# Altium PCB PCB.PcbDoc (part 3 of 3)
Units mil, origin at the board's own origin, x right, y up, seen from the top; angles counter-clockwise.
Board outline 2834.89 x 3149.61 mil, 4 copper layers (Top Layer, PWR, GND, Bottom Layer), stack 61.811 mil thick; 169 components, 190 nets, 857 pads, 254 vias.
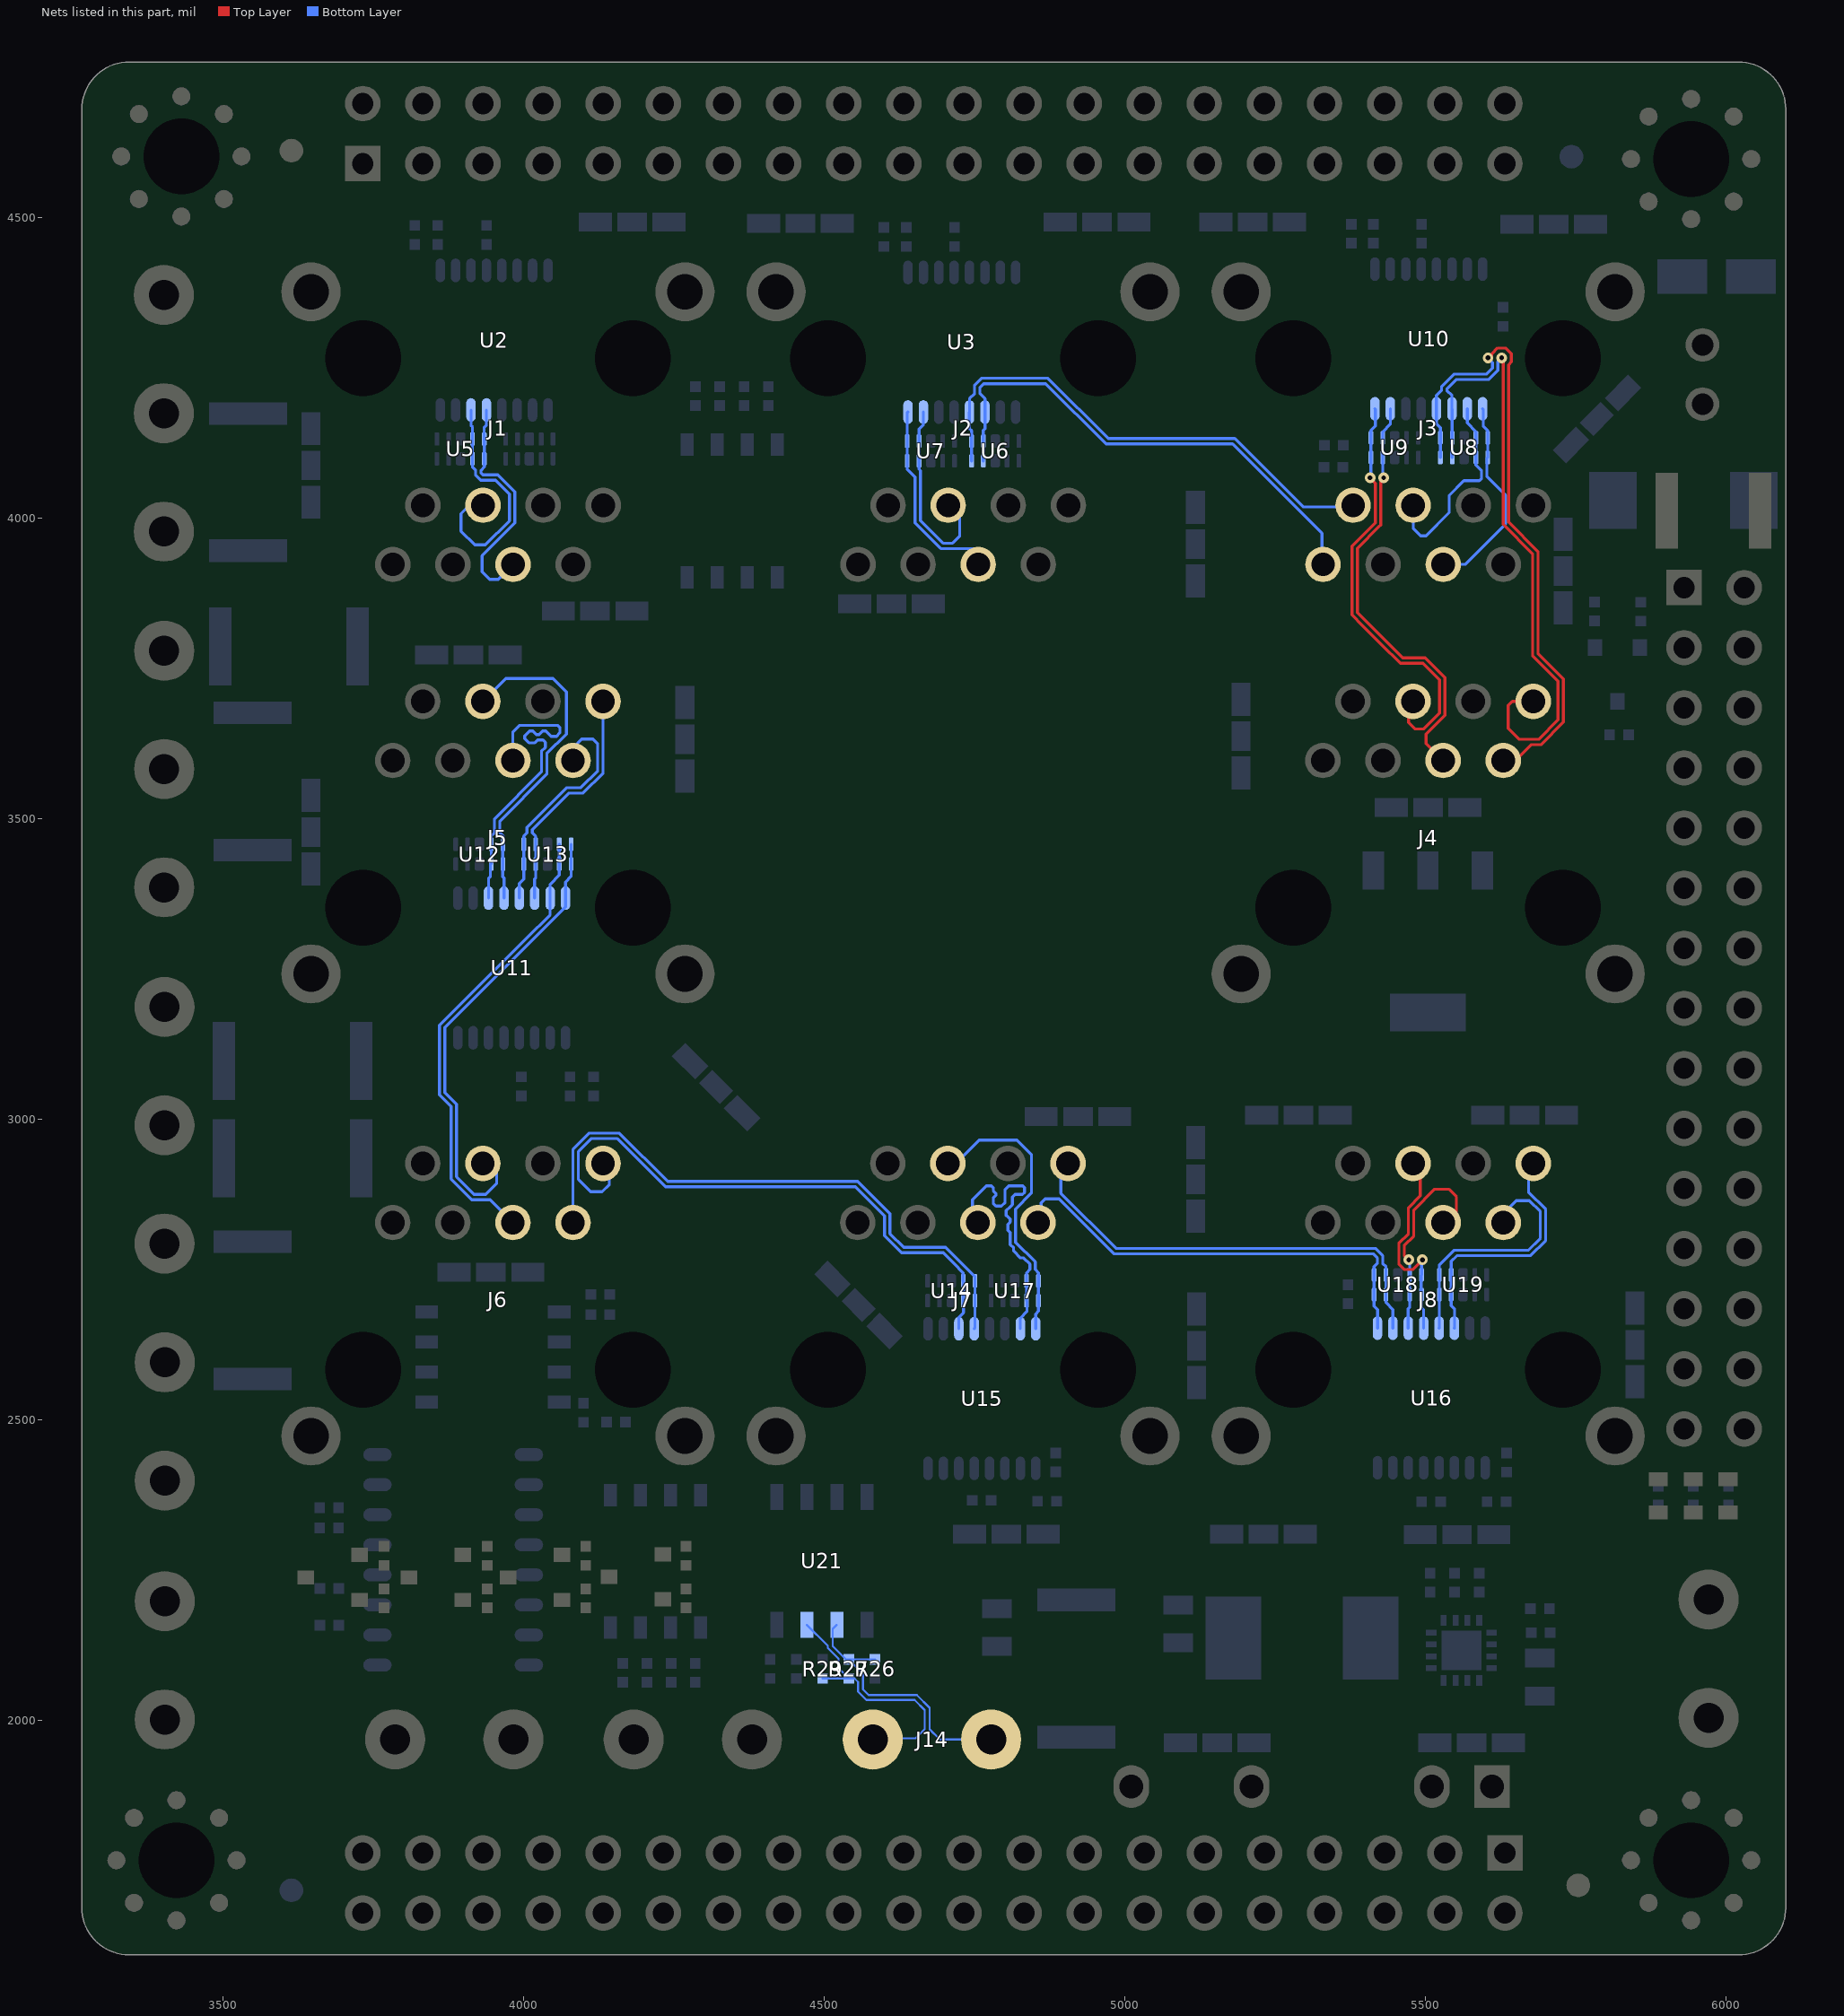
[diagram p5: the nets of this part, all layers, seen from the top]

## Via types
v1: diameter 17.72, hole 7.87, Top Layer to Bottom Layer, tented both sides, 254 vias

## Nets (pads, with @x,y where several pads share a name; then routed paths per layer and width w, separated by ;. In a path a pad name is that pad's centre, name@x,y a point inside that pad or via, vN(x,y) a via of type N, cw(c..) or ccw(c..) an arc to the next point about the centre after c; other vN are vias at no path point) (continued)
SDATA3_N: J3.2 U3.12 U6.5 U6.6 | length 855.4
  Bottom Layer w4.96: U6.5@4745.07,4095.87 U6.6@4745.07,4128.74 4745.07,4146.17 4741.55,4149.69 4741.55,4176.88 U3.12@4741.72,4177.05 4741.72,4199.21 4750.03,4207.53 4750.03,4222.03 4761.35,4233.34 4872.35,4233.34 4972.55,4133.14 5182.92,4133.14 5296.72,4019.34 5377.13,4019.34 J3.2@5379.86,4022.07
SDATA3_P: J3.1 U3.11 U6.4 U6.7 | length 854.5
  Bottom Layer w4.96: U6.4@4764.75,4095.87 U6.7@4764.75,4128.74 4764.75,4146.34 4767.7,4149.29 4767.7,4176.65 U3.11@4767.31,4177.05 4767.31,4199.21 4758.99,4207.53 4758.99,4218.31 4765.06,4224.38 4868.64,4224.38 4968.84,4124.18 5179.21,4124.18 5328.1,3975.29 5328.1,3925.4 J3.1@5329.86,3923.64
SDATA4_N: J4.2 U8.5 U8.6 U10.12 | length 1075.3
  Top Layer w4.96: v1(5604.2,4267.27) 5610.58,4267.27 5610.58,4274.04 5620.15,4283.61 5633.69,4283.61 5643.26,4274.04 5643.26,4260.5 5638.41,4255.65 5638.41,3994.01 5687.37,3945.04 5687.37,3775.48 5729.84,3733.01 5729.84,3661.15 5692.27,3623.58 5675.66,3623.58 5649.47,3597.39 J4.2@5629.46,3597.39
  Bottom Layer w4.96: U8.5@5525.06,4101.46 U8.6@5525.06,4134.33 5525.06,4151.32 5518.62,4157.75 U10.12@5518.62,4182.63 5518.62,4204.8 5526.94,4213.11 5526.94,4219.25 5547.99,4240.3 5602.08,4240.3 5611.91,4250.13 5611.91,4259.56 v1(5604.2,4267.27)
SDATA4_P: J4.1 U8.4 U8.7 U10.11 | length 1066.5
  Top Layer w4.96: v1(5626.92,4267.27) 5629.45,4264.74 5629.45,3990.3 5678.41,3941.33 5678.41,3771.76 5720.88,3729.3 5720.88,3664.86 5688.56,3632.54 5656.47,3632.54 5637.85,3651.15 5637.85,3688.79 5644.87,3695.81 J4.1@5679.46,3695.81
  Bottom Layer w4.96: U8.4@5544.74,4101.46 U8.7@5544.74,4134.33 5544.74,4182.11 U10.11@5544.21,4182.63 5544.21,4204.8 5535.9,4213.11 5535.9,4215.54 5551.7,4231.34 5605.79,4231.34 5620.87,4246.42 5620.87,4261.22 v1(5626.92,4267.27)
SDATA5_N: J5.2 U11.13 U13.1 U13.10 | length 395.4
  Bottom Layer w4.96: U11.13@3992.77,3368.33 3992.77,3392.45 4000.23,3399.9 U13.10@4000.23,3425.06 U13.1@4000.23,3457.94 4000.23,3471.54 4005.59,3476.9 4005.59,3485.73 4071.9,3552.05 4094.98,3552.05 4123.07,3580.14 4123.07,3624.94 4115.14,3632.87 4096.52,3632.87 4082.04,3618.39 J5.2@4082.04,3597.39
SDATA5_P: J5.1 U11.14 U13.2 U13.9 | length 392.5
  Bottom Layer w4.96: U11.14@4018.36,3368.33 4018.36,3400.21 4019.91,3401.76 U13.9@4019.91,3425.06 U13.2@4019.91,3457.94 4019.91,3471.54 4014.55,3476.9 4014.55,3482.02 4075.61,3543.09 4098.69,3543.09 4132.03,3576.43 4132.03,3628.65 J5.1@4132.04,3695.81
SDATA6_N: J6.2 U14.5 U14.6 U15.12 | length 1007.2
  Bottom Layer w4.96: J6.2@4082.04,2828.61 4082.04,2950.52 4108.71,2977.19 4159.6,2977.19 4239.59,2897.2 4555.62,2897.2 4609.43,2843.38 4609.43,2810.11 4632.24,2787.31 4702,2787.31 4750.85,2738.45 U14.5@4750.85,2731.57 U14.6@4750.85,2698.7 4750.85,2653.32 U15.12@4749.47,2651.94
SDATA6_P: J6.1 U14.4 U14.7 U15.11 | length 1008.2
  Bottom Layer w4.96: J6.1@4132.04,2927.04 4142.47,2916.6 4142.47,2892.06 4130.49,2880.08 4111.3,2880.08 4091,2900.38 4091,2946.8 4112.42,2968.23 4155.89,2968.23 4235.88,2888.24 4551.9,2888.24 4600.47,2839.67 4600.47,2806.4 4628.53,2778.35 4698,2778.35 4715.99,2760.35 4731.17,2745.18 U14.4@4731.17,2731.57 4731.67,2731.07 4731.67,2698.7 4731.67,2678.66 4723.88,2670.88 U15.11@4723.88,2651.94
SDATA7_N: J7.2 U16.9 U18.1 U18.10 | length 758.9
  Bottom Layer w4.96: J7.2@4855.75,2828.61 4860.65,2833.51 4860.65,2861.2 4867.22,2867.77 4890.53,2867.77 4981.72,2776.58 5413.51,2776.58 5420.21,2769.88 5420.21,2760.56 5414.84,2755.19 U18.1@5414.84,2741.59 U18.10@5414.84,2708.72 5414.84,2689.51 5420.41,2683.95 U16.9@5420.41,2652.91
SDATA7_P: J7.1 U16.10 U18.2 U18.9 | length 760.8
  Bottom Layer w4.96: J7.1@4905.75,2927.04 4893.72,2915.01 4893.72,2877.25 4985.43,2785.54 5417.22,2785.54 5429.17,2773.6 5429.17,2760.56 5434.53,2755.19 U18.2@5434.53,2741.59 U18.9@5434.53,2708.72 5434.53,2695.25 5446,2683.78 U16.10@5446,2652.91
SDATA8_N: J8.2 U16.13 U19.1 U19.10 | length 429.2
  Bottom Layer w4.96: U16.13@5522.77,2652.91 5523.3,2653.44 U19.10@5523.3,2708.72 U19.1@5523.3,2741.59 5523.3,2758.48 5547.22,2782.41 5671.03,2782.41 5691.21,2802.58 5691.21,2846.75 5672.87,2865.09 5651.25,2865.09 5629.46,2843.3 J8.2@5629.46,2828.61
SDATA8_P: J8.1 U16.14 U19.2 U19.9 | length 428.4
  Bottom Layer w4.96: U16.14@5548.36,2652.91 5548.72,2653.26 5548.72,2684.35 5542.98,2690.08 U19.9@5542.98,2708.72 U19.2@5542.98,2741.59 5542.98,2764.08 5552.36,2773.45 5674.74,2773.45 5700.17,2798.87 5700.17,2850.46 5671.74,2878.89 5671.74,2919.31 J8.1@5679.46,2927.04
SEN1_N: J1.5 U2.13 U5.1 U5.10 | length 400.5
  Bottom Layer w4.96: U2.13@3938.04,4180.58 3938.04,4155.33 3934.26,4151.55 3934.26,4132.44 U5.10@3934.42,4132.28 U5.1@3934.42,4099.41 3934.42,4085.81 3929.06,4080.44 3929.06,4075.73 3932.05,4072.74 3957.09,4072.74 3985.26,4044.56 3985.26,3992.4 3930.87,3938.01 3930.87,3911.41 3943.32,3898.95 3957.74,3898.95 J1.5@3982.43,3923.64
SEN1_P: J1.4 U2.14 U5.2 U5.9 | length 403.7
  Bottom Layer w4.96: U2.14@3912.45,4180.58 3912.45,4154.59 3914.82,4152.22 3914.82,4132.37 U5.9@3914.73,4132.28 U5.2@3914.73,4099.41 3914.73,4085.81 3920.1,4080.44 3920.1,4072.02 3928.34,4063.78 3953.38,4063.78 3976.3,4040.85 3976.3,3996.12 3936.22,3956.03 3918.73,3956.03 3895.86,3978.89 3895.86,4008.07 3909.86,4022.07 J1.4@3932.43,4022.07
SEN2_N: J2.5 U3.16 U7.5 U7.6 | length 339.3
  Bottom Layer w4.96: U3.16@4639.35,4177.05 4638.03,4175.72 U7.6@4638.03,4128.74 U7.5@4638.03,4095.87 4638.03,4082.27 4651.33,4068.97 4651.33,3992.56 4687.63,3956.26 4693.99,3949.9 4756.14,3949.9 J2.5@4756.14,3923.64
SEN2_P: J2.4 U3.15 U7.4 U7.7 | length 336.8
  Bottom Layer w4.96: U3.15@4664.94,4177.05 4664.94,4155.9 4657.72,4148.67 U7.7@4657.72,4128.74 U7.4@4657.72,4095.87 4657.72,4082.27 4660.29,4079.69 4660.29,3996.27 4697.7,3958.86 4713.52,3958.86 4725.28,3970.61 4725.28,4015.21 4718.42,4022.07 J2.4@4706.14,4022.07
SEN3_N: J3.5 U8.1 U8.10 U10.9 | length 340.1
  Bottom Layer w4.96: J3.5@5529.86,3923.64 5566.23,3923.64 5633.46,3990.87 5633.46,4038.78 5602.47,4069.76 5602.47,4100.13 U8.1@5603.8,4101.46 U8.10@5603.8,4134.33 5603.8,4146.35 5596.36,4153.79 5596.36,4181.67 U10.9@5595.39,4182.63
SEN3_P: J3.4 U8.2 U8.9 U10.10 | length 339.6
  Bottom Layer w4.96: J3.4@5479.86,4022.07 5479.86,3983.87 5492.44,3971.29 5501.05,3971.29 5539.67,4009.91 5539.67,4038.53 5564.26,4063.12 5564.64,4062.74 5589.77,4062.74 5593.51,4066.48 5593.51,4079.68 5584.11,4089.08 U8.2@5584.11,4101.46 U8.9@5584.11,4134.33 5584.11,4144.59 5569.8,4158.9 U10.10@5569.8,4182.63
SEN4_N: J4.5 U9.5 U9.6 U10.16 | length 717.3
  Top Layer w4.96: v1(5408.04,4067.8) 5408.04,4067.41 5416.86,4058.59 5416.86,3992.97 5378.16,3954.26 5378.16,3839.48 5395.56,3822.08 5426.95,3790.68 5458.6,3759.04 5496.12,3759.04 5523.58,3731.58 5523.58,3676.05 5497.39,3649.86 5482.77,3649.86 5472.33,3660.31 5472.33,3688.68 J4.5@5479.46,3695.81
  Bottom Layer w4.96: v1(5408.04,4067.8) 5409.56,4069.32 U9.5@5409.56,4101.46 U9.6@5409.56,4134.33 5409.56,4146.26 5416.95,4153.65 5416.95,4181.95 U10.16@5416.26,4182.63
SEN4_P: J4.4 U9.4 U9.7 U10.15 | length 715.9
  Top Layer w4.96: v1(5430.76,4067.8) 5430.76,4067.41 5425.82,4062.48 5425.82,4041.11 5425.82,3989.25 5423.88,3987.31 5387.12,3950.55 5387.12,3843.19 5462.31,3768 5499.83,3768 5529.91,3737.91 5532.54,3735.29 5532.54,3672.34 5529.91,3669.71 5501.41,3641.21 5501.41,3625.44 J4.4@5529.46,3597.39
  Bottom Layer w4.96: v1(5430.76,4067.8) 5429.24,4069.32 U9.4@5429.24,4101.46 U9.7@5429.24,4134.33 5429.24,4144.13 5441.85,4156.74 U10.15@5441.85,4182.63
SEN5_N: J5.5 U11.12 U12.5 U12.6 | length 556.5
  Bottom Layer w4.96: J5.5@3932.04,3695.81 3970.11,3733.89 4048.91,3733.89 4071.09,3711.71 4071.09,3641.43 4038.64,3608.98 4038.64,3574.9 3960.33,3496.6 3960.33,3476.9 3965.7,3471.54 U12.5@3965.7,3457.94 3965.19,3457.43 3965.19,3404.02 3967.18,3402.03 U11.12@3967.18,3368.33
SEN5_P: J5.4 U11.11 U12.4 U12.7 | length 557
  Bottom Layer w4.96: U11.11@3941.59,3368.33 3941.59,3401.17 3944.71,3404.3 U12.7@3944.71,3425.06 ; U12.7@3946.01,3425.06 U12.4@3946.01,3457.94 3946.01,3471.54 3951.37,3476.9 3951.37,3500.31 4029.68,3578.62 4029.68,3612.69 4036.14,3619.15 4036.14,3627.54 4032.04,3631.65 4023.46,3631.65 4018.55,3626.73 4008.82,3626.73 4001.87,3633.68 4001.87,3638.36 4009.91,3646.4 4015,3646.4 4021.11,3640.29 4025.59,3640.29 4031.7,3646.4 4036.89,3646.4 4045.66,3637.63 4054.62,3637.63 4060.24,3643.25 4060.24,3652.67 4057.15,3655.76 3993.02,3655.76 3982.04,3644.78 J5.4@3982.04,3597.39
SEN6_N: J6.5 U11.16 U13.5 U13.6 | length 785.6
  Bottom Layer w4.96: J6.5@3932.04,2927.04 3945.37,2927.04 3954.97,2917.44 3954.97,2893.25 3937.16,2875.44 3917.49,2875.44 3888.12,2904.81 3888.12,3025.3 3868.89,3044.52 3868.89,3152.96 4008.73,3292.79 4069.54,3353.61 U11.16@4069.54,3368.33 4069.54,3394.94 4078.97,3404.37 U13.6@4078.97,3425.06 U13.5@4078.97,3457.94
SEN6_P: J6.4 U11.15 U13.4 U13.7 | length 780.3
  Bottom Layer w4.96: J6.4@3982.04,2828.61 3944.16,2866.48 3913.78,2866.48 3879.16,2901.1 3879.16,3021.58 3859.93,3040.81 3859.93,3156.67 4005.01,3301.75 4043.95,3340.69 U11.15@4043.95,3368.33 4043.95,3391.37 4059.28,3406.7 U13.7@4059.28,3425.06 U13.4@4059.28,3457.94
SEN7_N: J7.5 U15.16 U17.5 U17.6 | length 483.4
  Bottom Layer w4.96: J7.5@4705.75,2927.04 4719.05,2927.04 4757.78,2965.76 4820.79,2965.76 4844.68,2941.87 4844.68,2888.9 4844.73,2888.85 4844.73,2877.42 4818.43,2851.12 4818.43,2795.66 4850.99,2763.11 4850.99,2750.54 4856.35,2745.18 U17.5@4856.35,2731.57 U17.6@4856.35,2698.7 4856.46,2698.59 4856.46,2681.13 4851.83,2676.5 U15.16@4851.83,2651.94
SEN7_P: J7.4 U15.15 U17.4 U17.7 | length 484.1
  Bottom Layer w4.96: J7.4@4755.75,2828.61 4746.51,2837.85 4746.51,2866.28 4769.97,2889.74 4777.99,2889.74 4781.26,2886.48 4781.26,2881.72 4785.72,2877.27 4785.72,2873.7 4781.26,2869.25 4781.26,2860.34 4785.72,2855.88 4794.78,2855.88 4800.87,2861.97 4800.87,2883.65 4806.96,2889.74 4830.27,2889.74 4833.39,2886.62 4833.39,2878.75 4829.83,2875.19 4817.35,2875.19 4813.2,2871.03 4813.2,2858.55 4809.47,2854.83 4809.17,2854.83 4802.8,2848.45 4802.8,2840.14 4803.68,2840.14 4809.47,2834.34 4809.47,2829.44 4805.62,2825.59 4805.62,2815.78 4809.47,2811.93 4809.47,2791.95 4815.01,2786.41 4815.01,2781.14 4826.45,2769.7 4831.72,2769.7 4842.03,2759.39 4842.03,2750.54 4836.67,2745.18 U17.4@4836.67,2731.57 U17.7@4836.67,2698.7 4837.27,2698.1 4837.27,2680.59 4826.24,2669.56 U15.15@4826.24,2651.94
SEN8_N: J8.5 U16.12 U18.5 U18.6 | length 353.4
  Top Layer w4.96: J8.5@5479.46,2927.04 5491.58,2914.92 5491.58,2872.98 5471.79,2853.19 5471.79,2810.03 5456.05,2794.29 5456.05,2759.89 5465.62,2750.32 5479.15,2750.32 5495.1,2766.27 v1(5495.1,2766.66)
  Bottom Layer w4.96: v1(5495.1,2766.66) 5493.58,2765.14 U18.5@5493.58,2741.59 5492.8,2740.81 5492.8,2687.05 5497.18,2682.67 U16.12@5497.18,2652.91
SEN8_P: J8.4 U16.11 U18.4 U18.7 | length 355.9
  Top Layer w4.96: v1(5472.38,2766.66) 5465.01,2774.03 5465.01,2790.58 5480.75,2806.32 5480.75,2849.48 5515.3,2884.04 5538.94,2884.04 5551.63,2871.35 5551.63,2841.16 5539.08,2828.61 J8.4@5529.46,2828.61
  Bottom Layer w4.96: U16.11@5471.59,2652.91 5471.59,2685.33 5474.09,2687.84 5474.09,2741.4 U18.4@5473.9,2741.59 5473.9,2765.14 v1(5472.38,2766.66)
UART485_N: J14.1 R27.2 R29.2 U21.7 | length 444.5
  Bottom Layer w3.32: U21.7@4470.92,2159.29 4505.77,2124.44 4505.77,2120.72 4523.74,2102.75 4523.74,2087.32 R27.2@4540.92,2070.14 ; R29.2@4497.28,2070.14 R27.2@4540.92,2070.14 ; J14.1@4580.82,1968.51 4582.58,1970.27 4651.85,1970.27 4667.13,1985.55 4667.13,2017.58 4650.47,2034.24 4580.52,2034.24 4570.27,2034.24 4556.31,2048.2 4556.31,2064.17 4550.33,2070.14 R27.2@4540.92,2070.14
UART485_P: J14.2 R26.2 R27.1 U21.6 | length 445.7
  Bottom Layer w3.32: U21.6@4520.92,2159.29 4514.24,2152.61 4514.24,2124.02 4536.62,2101.63 R27.1@4540.92,2101.63 ; R26.2@4584.57,2101.63 R27.1@4540.92,2101.63 ; J14.2@4777.67,1968.51 4692.44,1968.51 4675.45,1985.5 4675.45,2021.03 4653.92,2042.56 4573.72,2042.56 4564.63,2051.65 4564.63,2077.93 R27.1@4540.92,2101.63
pads on no net: J1. J1.7 J1.8 J2. J2.7 J2.8 J3. J3.7 J3.8 J4. J4.7 J4.8 J5. J5.7 J5.8 J6. J6.7 J6.8 J7. J7.7 J7.8 J8. J8.7 J8.8 J17.23 J17.24 MARKPOINT1. MARKPOINT2. MARKPOINT3. MARKPOINT4. POSHOLE1. POSHOLE2. POSHOLE3. POSHOLE4.

## Polygon pours and split planes (outlines as drawn)
GND on Bottom Layer "GND_L04_P002" (solid, remove dead copper, pour order 2): 3264.76,1688.95 ccw(c3343.5,1688.95) 3343.5,1610.21 6020.7,1610.21 6020.91,1610 ccw(c6020.91,1688.74) 6099.65,1688.74 6099.65,4680.87 ccw(c6020.91,4680.87) 6020.91,4759.61 3343.74,4759.61 ccw(c3343.74,4680.87) 3265,4680.87
GND on Top Layer "GND_L01_P001" (solid, remove dead copper, pour order 1): 3264.76,1688.95 ccw(c3343.5,1688.95) 3343.5,1610.21 6020.7,1610.21 6020.91,1610 ccw(c6020.91,1688.74) 6099.65,1688.74 6099.65,4680.87 ccw(c6020.91,4680.87) 6020.91,4759.61 3343.74,4759.61 ccw(c3343.74,4680.87) 3265,4680.87
ISOGND10 on GND (split plane): 3472.74,2595.4 3472.74,2510.42 3473.03,2507.48 3473.89,2504.65 3475.28,2502.04 3477.16,2499.76 3563.29,2413.62 3565.58,2411.75 3568.18,2410.35 3571.01,2409.5 3573.95,2409.21 3803.65,2409.21 3803.65,2132.58 3803.94,2129.64 3804.79,2126.81 3806.19,2124.2 3808.06,2121.92 3892.43,2037.55 3894.72,2035.67 3897.32,2034.28 3900.15,2033.42 3903.09,2033.13 4416.3,2033.13 4466.08,1983.35 4537.96,1911.47 4540.25,1909.6 4542.85,1908.2 4545.68,1907.34 4548.62,1907.05 5149.76,1907.05 5152.7,1907.34 5155.53,1908.2 5158.13,1909.6 5160.42,1911.47 5196.68,1947.73 5284.13,1947.73 5323.15,1908.71 5325.43,1906.83 5328.04,1905.44 5330.87,1904.58 5333.81,1904.29 5564.11,1904.29 5567.05,1904.58 5569.88,1905.44 5572.48,1906.83 5574.77,1908.71 5898.21,2232.15 5900.08,2234.43 5901.48,2237.04 5902.33,2239.87 5902.62,2242.81 5902.62,2397.72 5930.35,2425.45 5939.69,2416.11 5939.69,2135.9 5568.92,1765.14 3545.91,1765.14 3381.72,1929.33 3324.88,1986.17 3324.93,2653.32 3335.36,2663.76 3404.39,2663.76
GND on GND (split plane): 6026.34,4698.8 6029.74,4697.39 6032.79,4695.35 6035.39,4692.75 6037.43,4689.7 6038.83,4686.3 6039.55,4682.7 6039.55,4680.87 6039.55,1688.74 6039.55,1686.9 6038.83,1683.3 6037.43,1679.91 6035.39,1676.85 6032.79,1674.26 6029.74,1672.22 6026.34,1670.81 6022.74,1670.09 6020.91,1670.09 3343.5,1670.3 3341.66,1670.3 3338.06,1671.02 3334.67,1672.42 3331.61,1674.46 3329.01,1677.06 3326.97,1680.11 3325.57,1683.51 3324.85,1687.11 3324.85,1688.94 3324.87,1943.54 3360.4,1908.01 3529.01,1739.41 3531.29,1737.53 3533.9,1736.14 3536.73,1735.28 3539.67,1734.99 5575.17,1734.99 5578.11,1735.28 5580.93,1736.14 5583.54,1737.53 5585.82,1739.41 5965.42,2119 5967.29,2121.29 5968.69,2123.89 5969.55,2126.72 5969.83,2129.66 5969.83,2422.36 5969.55,2425.3 5968.69,2428.12 5967.29,2430.73 5965.42,2433.01 5941.01,2457.42 5938.73,2459.3 5936.12,2460.69 5933.29,2461.55 5930.35,2461.84 5927.41,2461.55 5924.59,2460.69 5921.98,2459.3 5919.7,2457.42 5876.89,2414.62 5875.02,2412.33 5873.62,2409.73 5872.77,2406.9 5872.48,2403.96 5872.48,2249.05 5557.87,1934.44 5340.05,1934.44 5301.03,1973.46 5298.74,1975.33 5296.14,1976.73 5293.31,1977.59 5290.37,1977.88 5190.43,1977.88 5187.49,1977.59 5184.67,1976.73 5182.06,1975.33 5179.78,1973.46 5143.52,1937.2 4554.86,1937.2 4487.4,2004.66 4433.2,2058.86 4430.92,2060.74 4428.31,2062.13 4425.48,2062.99 4422.54,2063.28 3909.34,2063.28 3833.79,2138.82 3833.79,2424.28 3833.5,2427.22 3832.64,2430.05 3831.25,2432.65 3829.38,2434.94 3827.09,2436.81 3824.49,2438.21 3821.66,2439.06 3818.72,2439.35 3580.19,2439.35 3502.89,2516.66 3502.89,2604.91 3502.6,2607.85 3501.74,2610.68 3500.35,2613.28 3498.47,2615.57 3496.19,2617.44 3493.58,2618.83 3491.23,2619.55 3421.29,2689.49 3419,2691.36 3416.4,2692.76 3413.57,2693.61 3410.63,2693.9 3329.12,2693.9 3326.18,2693.61 3324.93,2693.23 3325.09,4680.86 3325.09,4680.87 3325.09,4682.7 3325.81,4686.3 3327.22,4689.7 3329.26,4692.75 3331.85,4695.35 3334.91,4697.39 3338.3,4698.8 3341.9,4699.51 6022.74,4699.51
+ISO12V on PWR (split plane): 3853.09,2003.36 3855.38,2001.49 3857.98,2000.1 3860.81,1999.24 3863.75,1998.95 4965.97,1998.95 4968.91,1999.24 4970.08,1999.59 5046.82,1922.85 5046.82,1866.8 5024.68,1844.66 3863.98,1844.66 3555.76,2152.89 3555.76,2197.15 3560.36,2201.76 3654.7,2201.76
ISOGND3 on PWR (split plane): 3569.23,3972.37 3569.52,3969.43 3570.37,3966.6 3571.77,3964 3573.64,3961.71 3703.49,3831.86 3705.78,3829.98 3708.38,3828.59 3711.21,3827.73 3714.15,3827.44 4219.6,3827.44 4222.54,3827.73 4225.37,3828.59 4227.98,3829.98 4230.26,3831.86 4360.16,3961.76 4377.89,3961.76 4398.07,3941.58 4398.07,3924.03 4258.23,3784.2 3583.95,3784.2 3582.81,3784.81 3582.61,3784.87 3480.34,3887.13 3480.28,3887.33 3478.89,3889.93 3477.02,3892.22 3474.73,3894.09 3472.13,3895.48 3469.3,3896.34 3466.36,3896.63 3465.48,3896.55 3464.6,3896.63 3325.03,3896.63 3325.08,4458.64 3569.23,4458.64
+3.3V on PWR (split plane): 6039.55,1688.74 6039.55,1686.9 6038.83,1683.3 6037.43,1679.91 6035.39,1676.85 6032.79,1674.26 6029.74,1672.22 6026.34,1670.81 6022.74,1670.09 6020.91,1670.09 5931.22,1670.1 6039.44,1778.32 6039.55,1778.43
+5V on PWR (split plane): 6039.55,4676.99 6039.55,1821.06 6018.12,1799.63 5895.01,1676.51 5098.52,1676.51 5045.1,1729.93 5045.1,1822.45 5072.55,1849.9 5074.43,1852.19 5075.82,1854.79 5076.68,1857.62 5076.97,1860.56 5076.97,1929.09 5076.68,1932.03 5075.82,1934.86 5074.43,1937.47 5072.55,1939.75 4995.36,2016.95 4995.36,2132.37 5033.9,2170.91 5098.59,2170.91 5132.78,2136.72 5132.78,2040.93 5133.07,2037.99 5133.93,2035.17 5135.32,2032.56 5137.19,2030.28 5147.85,2019.62 5147.85,1995.68 5171.79,1995.68 5195.64,1971.83 5197.92,1969.96 5200.53,1968.56 5203.36,1967.7 5206.3,1967.41 5732.26,1967.41 5735.2,1967.7 5738.03,1968.56 5740.64,1969.96 5742.92,1971.83 5880.24,2109.15 5882.12,2111.43 5883.51,2114.04 5884.37,2116.87 5884.66,2119.81 5884.66,4498.71 5884.37,4501.65 5883.51,4504.48 5882.12,4507.09 5880.24,4509.37 5838.64,4550.97 5836.36,4552.85 5833.75,4554.24 5830.92,4555.1 5827.98,4555.39 3729.51,4555.39 3697.4,4587.5 3697.4,4699.51 6017.03,4699.51
ISOGND1 on PWR (split plane): 3568,3142.89 3568,2957.05 3568,2739.27 3568.29,2736.33 3569.14,2733.5 3570.54,2730.9 3572.41,2728.61 3860.91,2440.11 3863.2,2438.24 3865.8,2436.85 3868.63,2435.99 3871.57,2435.7 4243.53,2435.7 4257.12,2422.11 4257.12,2393 3567.91,2393 3324.93,2635.98 3324.98,3273.76 3437.13,3273.76
ISOGND2 on PWR (split plane): 3566.26,3758.58 3566.26,3382.8 3566.55,3379.86 3567.41,3377.03 3568.8,3374.43 3570.68,3372.14 3717.25,3225.57 3717.25,2813.84 3717.54,2810.9 3718.4,2808.07 3719.79,2805.47 3721.67,2803.18 3979.32,2545.53 3979.32,2465.84 3877.81,2465.84 3598.14,2745.51 3598.14,2957.05 3598.14,3149.13 3597.85,3152.07 3596.99,3154.9 3595.6,3157.5 3593.73,3159.79 3454.03,3299.49 3451.74,3301.36 3449.14,3302.76 3446.31,3303.61 3443.37,3303.9 3324.98,3303.9 3325.03,3866.49 3458.36,3866.49
+3.3V on PWR (split plane): 169 vertices, not listed, extent 3324.85,1670.17 5854.51,4699.51

## Other copper
Top Layer:
  rectangle net NetC5_1: 5975.18,3951.33 6075.7,4074.6
  pour cut-out: 5189.7,4301.52 5840.87,4301.52 5840.87,4220.92 5722.81,4102.85 5722.81,3525.53 5729.29,3519.04 5198.64,3519.04
  pour cut-out: 4917.96,2118.53 5689.61,2118.53 5689.61,1840.97 4917.96,1840.97
  pour cut-out: 5189.71,2732.24 5848.18,2732.24 5848.18,3006.5 5847.7,3006.97 5844.75,3004.02 5189.3,3004.02
  pour cut-out: 5147.85,2267.24 5147.85,1995.68 5603.51,1995.68 5603.51,2267.45
  region net +3.3V: 5964.74,2469.31 5947.2,2451.77 5914.26,2451.77 5810.94,2555.09 5810.94,2618.19 5755,2674.14 5755,2705.35 5782.08,2732.43 5840.97,2732.43 5889.26,2684.15 5889.26,2564.61 5929.89,2523.98 5943.01,2523.98 5964.74,2502.25
  region net +3.3V: 5116.43,4626.57 5150.01,4626.57 5171.09,4605.49 5171.09,4547.25 5190.47,4527.88 5299.73,4527.88 5333.87,4493.73 5333.87,4427.37 5321.79,4415.29 5241.05,4415.29 5220.86,4435.48 5144.35,4435.48 5095.33,4484.51 5095.33,4604.71
  region net ISOGND10: 5208.44,1925.51 5161.24,1925.51 4984.22,2102.53 4984.22,2182.57 4854.92,2182.57 4854.3,2181.95 4854.77,2181.48 4854.77,2123.69 5123.05,1855.41 5217.09,1855.41
Bottom Layer:
  rectangle net GND: 5064.5,2177.61 5113.21,2282.15
  pour cut-out: 3644.32,4300.74 5838.98,4300.74 5838.98,4220.96 5727.4,4109.39 5727.4,3518.25 5191.74,3518.25 5191.74,3781.42 5115.92,3857.24 3764.39,3857.24 3653.49,3968.14 3653.49,3969.38 3644.32,3978.56
  pour cut-out: 3823.17,3769.12 3646.21,3592.16 3646.21,3242.27 3704.48,3183.99 3753,3183.99 3762.4,3174.59 3762.4,2746.09 4486.39,2746.09 4494.36,2754.05 4612.35,2636.05 4612.35,2537.79 5848.7,2537.79 5848.7,2985.3 5847.7,2985.3 5847.7,3004.72 4369.53,3004.72 4268.26,3106 4268.26,3769.12
  pour cut-out: 5147.85,2267.24 5147.85,1995.68 5603.51,1995.68 5603.51,2267.45
  region net GND: 5589.61,2166.85 5589.61,2137.39 5550.24,2136.71 5550.24,2175.78 5572.12,2198.14 5600.32,2198.14 5680.83,2254.29 5988.2,2254.29 6024.42,2230.72 6024.42,2178.03 5996.12,2149.72 5960.21,2149.72 ccw(c6205.14,655.92) 5714.93,2088.1 5697.74,2088.1 5697.74,2195.31 5689.88,2203.17 5663.35,2203.17 5608.6,2166.85
  region net +5V: 5227.18,2206.29 5134.66,2206.29 cw(c5052.36,2200.79) 5113.43,2145.34 5063.95,2145.34 5061.54,2034.69 5104.92,2034.69 cw(c5160.41,2015.62) 5134.66,2068.35 5227.18,2068.35
  region net NetL1_1: 5509.89,2126.57 5504.96,2131.49 5501.03,2131.49 cw(c5568.21,2223.66) 5455.53,2205.99 5455.53,2205.62 5363.37,2205.62 5363.01,2205.99 5363.01,2068.49 5455.53,2068.49 cw(c5488.8,2035.23) 5488.8,2082.27 5509.89,2082.27
  region net NetC5_1: 6000.43,4430.96 6000.43,4240.46 5983.65,4223.68 5948.12,4223.68 5928.32,4203.88 5928.32,4176.26 5947.23,4157.34 5969.89,4157.34 5976.43,4150.81 5976.43,3949.71 6083.1,3949.71 6083.1,4430.96
  region net +5V: 5886.77,4430.96 5886.77,4313.94 5944.41,4256.31 5974.81,4256.31 5993.48,4274.98 5993.48,4307.26 5968.93,4331.81 5968.93,4430.96
  region net +ISO12V: 4762.76,2108.12 4854.3,1988.95 4984.22,1968.97 4983.65,1991.01 4810.76,2107.7 4810.76,2139.19 4762.76,2139.11
  region net ISOGND10: 4984.22,2143.57 4854.3,2143.57 4811.97,2172.87 4762.76,2170.69 4762.76,2202.18 4811.44,2202.18 4854.3,2219.36 4984.22,2219.36
  region net +ISO12V: 5021.25,1923.73 4984.22,1953.61 4984.22,1990.39 4854.3,1990.99 4854.3,1953.61 4994.48,1859.71
  region net +12V: 5921.26,2007.49 5799.13,1989.26 5799.13,1955.46 5659.77,1926.02 5581.34,1924.36 5581.34,1854.75 5635.37,1854.75 5887.35,1909.5 6005.28,1968.02
  region net +12V: 5609.91,2056.6 5629.05,2029.81 5638.57,2022.27 5663.4,2009.47 5964.16,1951.93 5994.54,1952.26 6024.52,1982.24 6024.52,2028.56 5996.48,2056.6 5685.12,2056.6 5658.87,2077.61 5658.87,2123.28 5667.49,2137.48 5684.6,2137.48 5685.12,2155.11 5667.49,2154.58 5650.27,2146.2 5609.91,2126.57
  region net GND: 5530.55,2058.47 5530.55,2092.48 5527.01,2096.03 5527.86,2096.87 5550.08,2096.87 5550.08,2066.69 5550.5,2066.27 5550.5,2049.98 5519.33,2018.81 5460.14,2018.81 5460.14,2058.47
PWR (plane layer: these items are gaps in the copper):
  pour cut-out: 5147.85,2267.24 5147.85,1995.68 5603.51,1995.68 5603.51,2267.45
  lines w30: 3266.7,3137.26 3266.7,3881.56 ; 3466.36,3879.8 3466.36,3881.56 ; 3577.04,3770.88 3577.04,3769.12 3691.57,3769.12 4264.48,3769.12 4413.14,3917.79 4413.14,3947.82 4384.13,3976.83 4353.92,3976.83 4219.6,3842.52 3714.15,3842.52 3584.3,3972.37 3584.3,4473.72 3266.7,4473.72 3266.7,3881.56 ; 3994.39,2453.08 3994.39,2551.78 3732.33,2813.84 3732.33,3231.81 3581.34,3382.8 3581.34,3764.82 3464.6,3881.56 3266.7,3881.56 ; 4965.97,2014.02 3863.75,2014.02 3660.94,2216.83 3608.16,2216.83 3554.12,2216.83 3540.68,2203.4 3540.68,2146.64 3857.73,1829.59 5030.03,1829.59 5030.03,1723.69 5092.27,1661.44 5901.25,1661.44 6028.78,1788.97 6080.32,1840.52 6080.32,4657.54 5997.55,4740.31 3711.44,4740.31 3682.32,4711.19 3682.32,4581.26 3723.27,4540.31 5827.98,4540.31 5869.58,4498.71 5869.58,2119.81 5732.26,1982.49 5206.3,1982.49 5147.85,2040.93 5147.85,2142.96 5104.83,2185.99 5027.66,2185.99 4980.28,2138.61 4980.28,2010.7 5061.89,1929.09 5061.89,1860.56 5030.93,1829.59 ; 3266.7,2672.9 3561.66,2377.93 4272.19,2377.93 4272.19,2428.35 4249.77,2450.77 3871.57,2450.77 3583.07,2739.27 3583.07,2957.05 3583.07,3149.13 3443.37,3288.83 3266.7,3288.83 3266.7,2685.48 3266.7,2672.9
GND (plane layer: these items are gaps in the copper):
  pour cut-out: 5147.85,2267.24 5147.85,1995.68 5432.89,1995.68 5432.89,2267.37
  lines w30: 3487.81,2601.65 3410.63,2678.83 3329.12,2678.83 3275.93,2625.64 3275.93,2013.8 3371.06,1918.67 3539.67,1750.06 5575.17,1750.06 5954.76,2129.66 5954.76,2422.36 5930.35,2446.76 5887.55,2403.96 5887.55,2242.81 5564.11,1919.37 5333.81,1919.37 5290.37,1962.8 5190.43,1962.8 5149.76,1922.13 4893.33,1922.13 4548.62,1922.13 4476.74,1994.01 4422.54,2048.2 3903.09,2048.2 3818.72,2132.58 3818.72,2424.28 3573.95,2424.28 3487.81,2510.42 3487.81,2604.91

## Silkscreen, mask and mechanical layers (free items; w line width, h text height)
Top Overlay:
  drawing of 100 lines, arcs and shapes, not listed
  text "GND" at 3463.57,4435.4 h60 r270
  text "ENCODER" at 3526.34,4293.39 h60 r270
  text "E6" at 3463.57,4238.55 h60 r270
  text "E5" at 3463.57,4041.7 h60 r270
  text "GND" at 3464.24,3843.44 h60 r270
  text "ENCODER" at 3527.01,3701.44 h60 r270
  text "POWER_IN" at 5951.1,3667.76 h60 r180
  text "E4" at 3464.24,3646.59 h60 r270
  text "E3" at 3464.24,3449.74 h60 r270
  text "GND" at 3464.67,3250.72 h60 r270
  text "ENCODER" at 3527.44,3108.71 h60 r270
  text "E2" at 3464.67,3053.86 h60 r270
  text "E1" at 3464.67,2857.01 h60 r270
  text "GND" at 3465.13,2659.46 h60 r270
  text "CAMERA" at 3527.9,2595.98 h60 r270
  text "TRIG1" at 3465.13,2462.61 h60 r270
  text "+3.3V / +5V / ISO+12V" at 5653.14,2327.86 h60 r270
  text "GND" at 3462.9,2265.72 h60 r270
  text "CAMERA" at 3527.9,2198.6 h60 r270
  text "GND" at 5911.17,2125.06 h60 r90
  text "CAMERA" at 3786.14,2093.67 h60
  text "CAMERA" at 4183.02,2093.51 h60
  text "485" at 4580.84,2093.51 h60
  text "TRIG2" at 3466.48,2077.38 h60 r270
  text "GND" at 3719.03,2028.67 h60
  text "TRIG3" at 3907.37,2028.67 h60
  text "GND" at 4115.9,2028.51 h60
  text "TRIG4" at 4303.47,2028.51 h60
  text "B" at 4513.72,2028.51 h60
  text "A" at 4702.06,2028.51 h60
  text "POWER_IN" at 5846.17,1988.58 h60 r90
  text "+12V" at 5911.17,1937.49 h60 r90
Bottom Overlay:
  circle w6: c4737.9,3422.68 r364.17
  circle w5.98: c4422.79,3107.87 r49.21
  circle w5.98: c4422.79,3737.8 r49.21
  circle w5.98: c5052.71,3737.8 r49.21
  circle w5.98: c5052.71,3107.87 r49.21
  text "DINGKUN" at 5259.82,2021.41 h60 r60
Bottom Solder:
  lines w30: 3646.21,3242.27 3646.21,3416.75 ; 3646.21,3539.19 3646.21,3592.16 3827.52,3773.47 ; 3646.21,4027.09 3646.21,3979.35 3779.52,3846.04 4057.67,3846.04 ; 3646.21,4149.53 3646.21,4377.19 3646.21,4501.16 ; 3731.94,2746.09 3884.49,2746.09 ; 3969.1,3772.68 4268.26,3772.68 4268.26,3694.09 ; 4026.05,2746.62 4503.66,2746.62 ; 4241.57,4493.03 4344.09,4493.03 ; 4268.26,3106 4268.26,3242.27 4268.26,3571.64 ; 4268.26,4377.19 4419.92,4377.19 ; 4344.09,4381.54 4344.09,4493.03 ; 4369.27,3004.99 4860.85,3004.99 ; 4399,4490.85 4399,4493.03 4344.09,4493.03 ; 4482.7,3858.03 4550.47,3858.03 ; 4612.35,2637.93 4612.35,2310.06 4741.55,2310.06 ; 4672.92,3858.03 5117.81,3858.03 ; 4864,2310.06 5030.93,2310.06 ; 4983.29,3004.99 5118.12,3004.99 ; 5015.28,4493.03 5117.81,4493.03 ; 5041.97,4377.19 5193.64,4377.19 ; 5092.59,1962.8 5030.93,1962.8 5030.93,2310.06 ; 5117.81,3880.17 5117.81,3858.03 ; 5117.81,4381.54 5117.81,4493.03 ; 5118.12,2961.93 5118.12,3004.99 ; 5119.47,2542.39 5119.47,2310.06 ; 5151.36,4493.03 5117.81,4493.03 ; 5169.46,2310.06 5119.47,2310.06 ; 5193.64,3576.66 5193.64,3519.04 5443.44,3519.04 ; 5193.64,3699.1 5193.64,3782.2 5117.81,3858.03 ; 5215.03,1962.8 5515.72,1962.8 ; 5227.55,3004.99 5118.12,3004.99 ; 5291.9,2310.06 5491.51,2310.06 ; 5349.99,3006.97 5604.15,3006.97 ; 5565.88,3519.04 5729.29,3519.04 5729.29,3851.15 ; 5613.95,2309.56 5843,2309.56 5843,2446.18 ; 5638.16,1962.8 5719.02,1963.1 ; 5726.59,3006.97 5847.7,3006.97 5847.7,2875.5 ; 5730.4,3979.92 5730.4,4111.28 ; 5774.6,4489.61 5835.6,4489.61 5835.6,4397.11 ; 5840.87,4221.75 5840.87,4377.19 ; 5847.7,2473.49 5847.7,2563.94 ; 5030.93,2310.06 5119.47,2310.06
  text "XME0724_IOEXTEND_V2.0" at 4385.13,1816.96 h60
Mechanical 1:
  circle w6: c4422.79,3737.8 r49.21
  circle w6: c5052.71,3737.8 r49.21
  circle w5.98: c4422.79,3107.87 r49.21
  circle w6: c5052.71,3107.87 r49.21
  circle w6: c4737.9,3422.68 r364.17
  lines w6: 3264.76,1688.95 ccw(c3343.5,1688.95) 3343.5,1610.21 6020.7,1610.21 ; 3265,1689.19 3265,4680.87 cw(c3343.74,4680.87) 3343.74,4759.61 6020.91,4759.61 cw(c6020.91,4680.87) 6099.65,4680.87 6099.65,1688.74 cw(c6020.91,1688.74) 6020.91,1610
Mechanical 2:
  circle w6: c4737.9,3422.68 r364.17
  circle w6: c5052.78,3107.8 r49.21
  circle w5.98: c4422.86,3107.8 r49.21
  circle w6: c5052.78,3737.72 r49.21
  circle w6: c4422.86,3737.72 r49.21
  circle w6: c5942.17,1767.48 r62.99
  circle w6: c3422.48,1767.48 r62.99
  circle w6: c5942.17,4602.13 r62.99
  circle w6: c3422.48,4602.13 r62.99
  lines w6: 4344.28,3816.3 5131.52,3029.06 ; 4344.12,3029.06 5131.52,3029.06 ; 4344.12,3029.06 4344.12,3816.46 5131.52,3816.46 ; 4344.12,3029.06 5131.52,3816.46 ; 5131.52,3029.06 5131.52,3816.46 ; 4422.86,3107.8 5052.78,3107.8 5052.78,3737.72 4422.86,3737.72 4422.86,3107.8
Mechanical 3 board cutout:
  circle w6: c4737.82,3422.76 r364.17
  circle w6: c5052.63,3107.95 r49.21
  circle w5.98: c4422.71,3107.95 r49.21
  circle w6: c5052.63,3737.87 r49.21
  circle w6: c4422.71,3737.87 r49.21

## Text inside footprints (layer, text, board x,y; h text height)
U23: Top Overlay "Vin" at 5595.87,2020.4 h60 r270; Top Overlay "GND" at 5490.87,2060.18 h60 r270; Top Overlay "0V" at 5190.87,2009.69 h60 r270; Top Overlay "+Vo" at 4995.87,2038.83 h60 r270; Bottom Overlay "Vin" at 5668.18,1867.3 h60 r270; Bottom Overlay "GND" at 5463.28,1875.59 h60; Bottom Overlay "0V" at 5273.83,1860.44 h60 r270; Bottom Overlay "+Vo" at 4925.23,1858.46 h60 r270